# EAGLE board working (EAGLE 9.6.2), part 8 of 28 (continued)
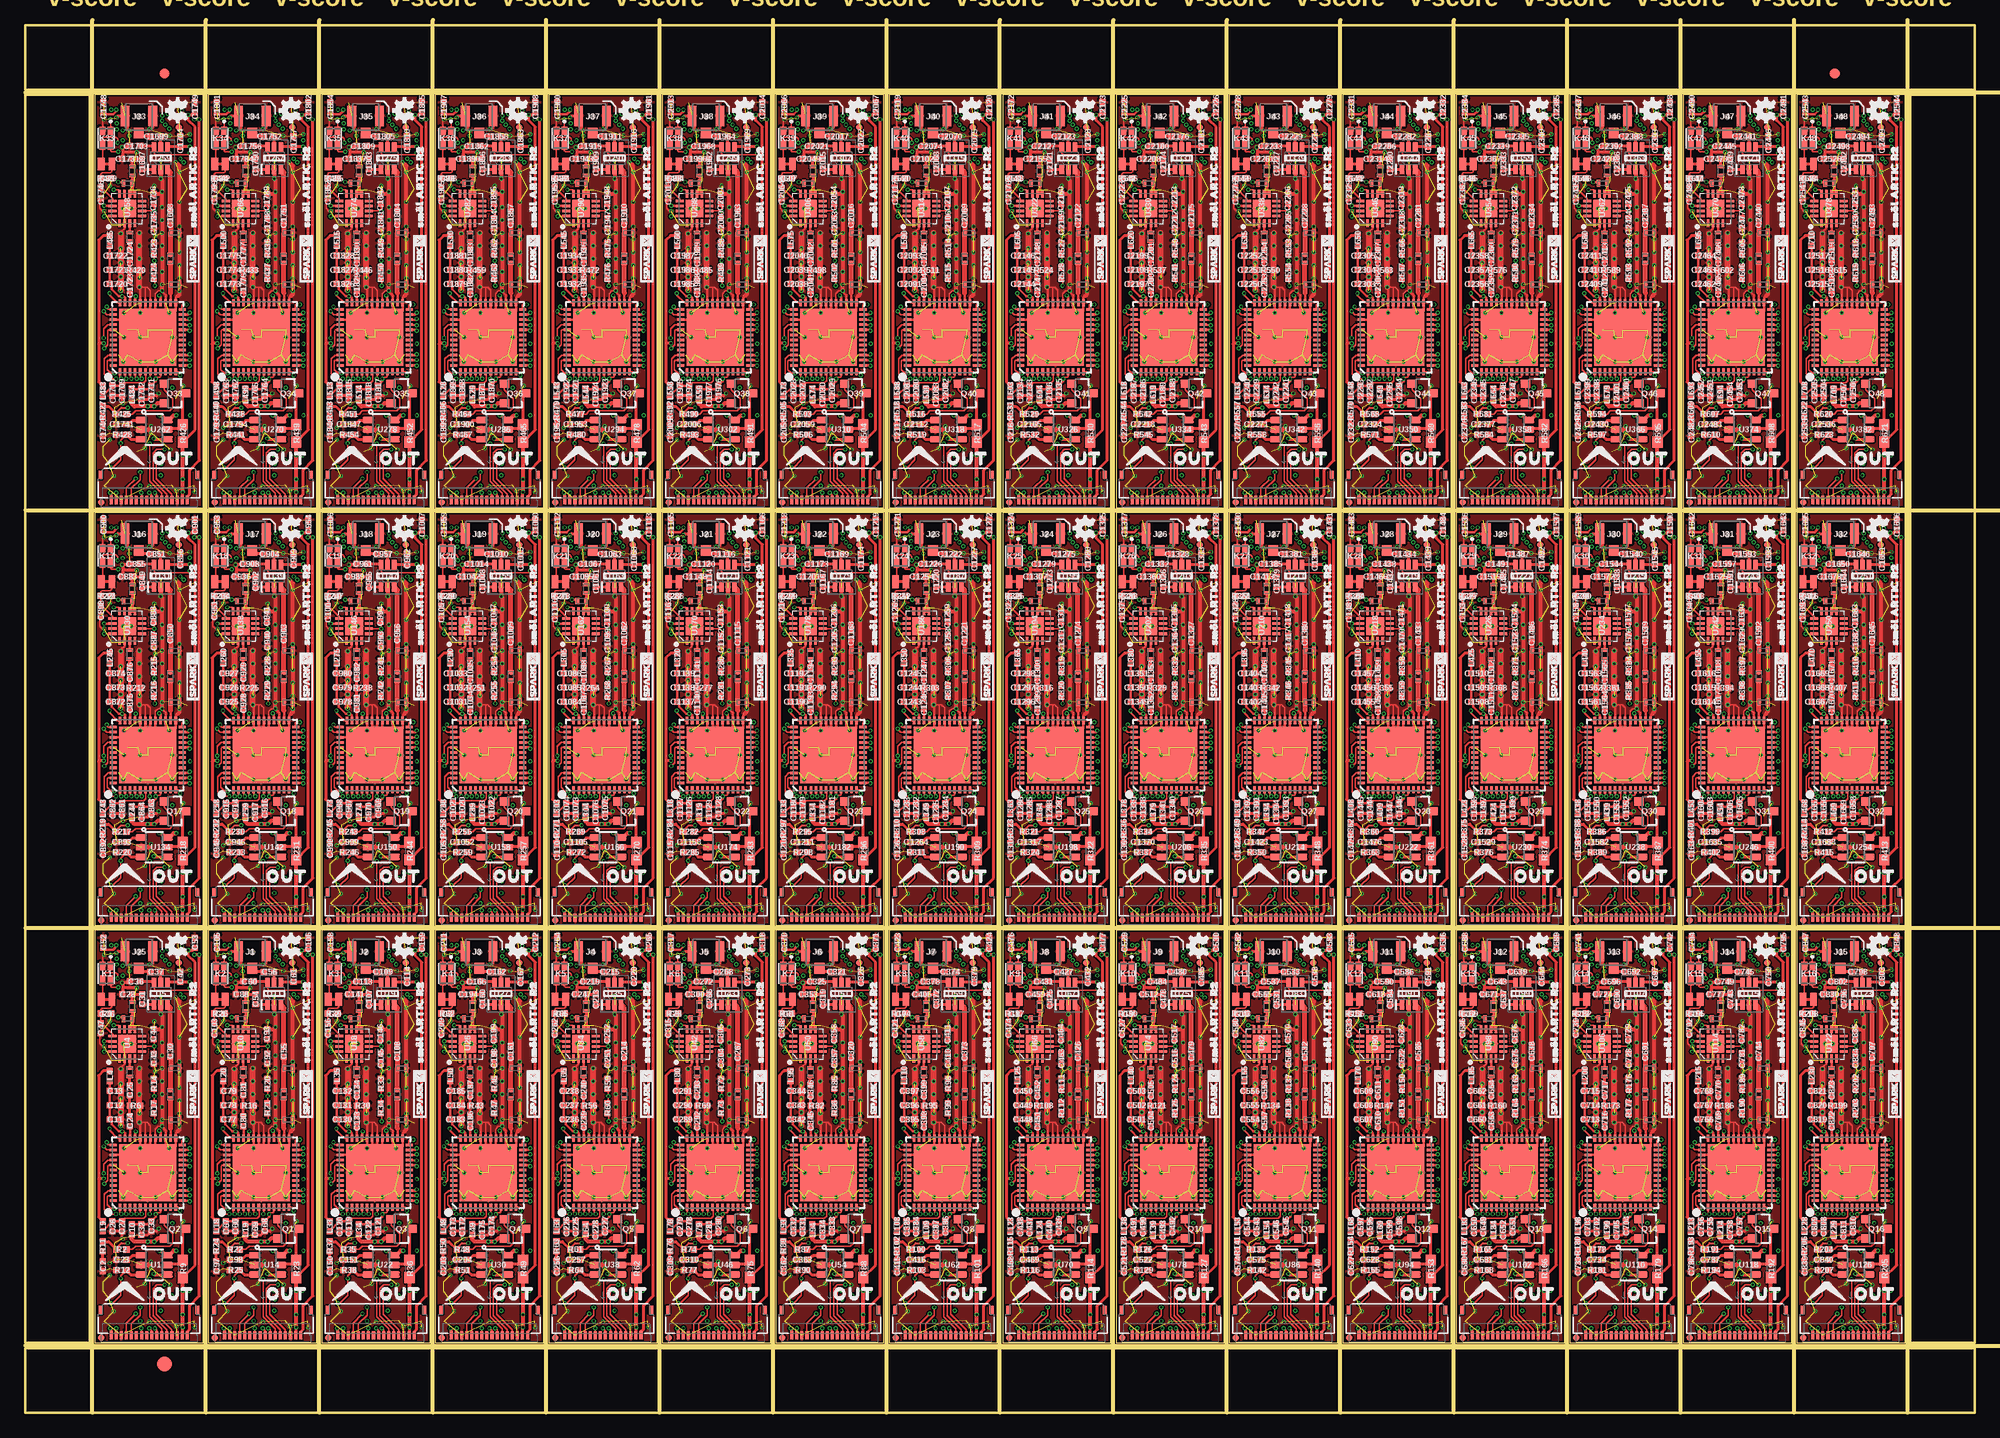
[diagram p0: board, top side]
## Nets (continued)
GND40: C2124.2 C2125.2 C2126.2 C2127.2 C2128.2 C2129.2 C2130.2 C2131.2 C2132.2 C2133.2 C2134.2 C2135.2 C2136.2 C2137.2 C2138.2 C2139.2 C2140.2 C2141.2 C2142.2 C2144.2 C2145.2 C2146.2 C2149.1 C2150.1 C2151.1 C2152.2 C2153.2 C2155.1 C2156.2 C2157.2 C2158.2 C2159.1 C2160.2 C2161.2 C2162.2 C2163.2 C2164.2 C2165.2 C2166.2 C2167.2 C2168.2 C2169.2 C2170.1 C2171.2 C2172.2 C2173.2 IN40.3 IN40.14 J41.1 J41.2 K41.2 L612.P$1 L613.P$1 OUT40.3 OUT40.14 R523.2 R524.1 R525.2 R527.1 R532.2 R533.2 U321.25 U321.27 U321.29 U321.30 U321.31 U321.32 U321.39 U321.GND U322.2 U322.EDAP U323.2 U324.2 U325.2 U326.2 U327.4 U328.4 X41.1 X41.2
GND41: C2177.2 C2178.2 C2179.2 C2180.2 C2181.2 C2182.2 C2183.2 C2184.2 C2185.2 C2186.2 C2187.2 C2188.2 C2189.2 C2190.2 C2191.2 C2192.2 C2193.2 C2194.2 C2195.2 C2197.2 C2198.2 C2199.2 C2202.1 C2203.1 C2204.1 C2205.2 C2206.2 C2208.1 C2209.2 C2210.2 C2211.2 C2212.1 C2213.2 C2214.2 C2215.2 C2216.2 C2217.2 C2218.2 C2219.2 C2220.2 C2221.2 C2222.2 C2223.1 C2224.2 C2225.2 C2226.2 IN41.3 IN41.14 J42.1 J42.2 K42.2 L627.P$1 L628.P$1 OUT41.3 OUT41.14 R536.2 R537.1 R538.2 R540.1 R545.2 R546.2 U329.25 U329.27 U329.29 U329.30 U329.31 U329.32 U329.39 U329.GND U330.2 U330.EDAP U331.2 U332.2 U333.2 U334.2 U335.4 U336.4 X42.1 X42.2
GND42: C2230.2 C2231.2 C2232.2 C2233.2 C2234.2 C2235.2 C2236.2 C2237.2 C2238.2 C2239.2 C2240.2 C2241.2 C2242.2 C2243.2 C2244.2 C2245.2 C2246.2 C2247.2 C2248.2 C2250.2 C2251.2 C2252.2 C2255.1 C2256.1 C2257.1 C2258.2 C2259.2 C2261.1 C2262.2 C2263.2 C2264.2 C2265.1 C2266.2 C2267.2 C2268.2 C2269.2 C2270.2 C2271.2 C2272.2 C2273.2 C2274.2 C2275.2 C2276.1 C2277.2 C2278.2 C2279.2 IN42.3 IN42.14 J43.1 J43.2 K43.2 L642.P$1 L643.P$1 OUT42.3 OUT42.14 R549.2 R550.1 R551.2 R553.1 R558.2 R559.2 U337.25 U337.27 U337.29 U337.30 U337.31 U337.32 U337.39 U337.GND U338.2 U338.EDAP U339.2 U340.2 U341.2 U342.2 U343.4 U344.4 X43.1 X43.2
GND43: C2283.2 C2284.2 C2285.2 C2286.2 C2287.2 C2288.2 C2289.2 C2290.2 C2291.2 C2292.2 C2293.2 C2294.2 C2295.2 C2296.2 C2297.2 C2298.2 C2299.2 C2300.2 C2301.2 C2303.2 C2304.2 C2305.2 C2308.1 C2309.1 C2310.1 C2311.2 C2312.2 C2314.1 C2315.2 C2316.2 C2317.2 C2318.1 C2319.2 C2320.2 C2321.2 C2322.2 C2323.2 C2324.2 C2325.2 C2326.2 C2327.2 C2328.2 C2329.1 C2330.2 C2331.2 C2332.2 IN43.3 IN43.14 J44.1 J44.2 K44.2 L657.P$1 L658.P$1 OUT43.3 OUT43.14 R562.2 R563.1 R564.2 R566.1 R571.2 R572.2 U345.25 U345.27 U345.29 U345.30 U345.31 U345.32 U345.39 U345.GND U346.2 U346.EDAP U347.2 U348.2 U349.2 U350.2 U351.4 U352.4 X44.1 X44.2
GND44: C2336.2 C2337.2 C2338.2 C2339.2 C2340.2 C2341.2 C2342.2 C2343.2 C2344.2 C2345.2 C2346.2 C2347.2 C2348.2 C2349.2 C2350.2 C2351.2 C2352.2 C2353.2 C2354.2 C2356.2 C2357.2 C2358.2 C2361.1 C2362.1 C2363.1 C2364.2 C2365.2 C2367.1 C2368.2 C2369.2 C2370.2 C2371.1 C2372.2 C2373.2 C2374.2 C2375.2 C2376.2 C2377.2 C2378.2 C2379.2 C2380.2 C2381.2 C2382.1 C2383.2 C2384.2 C2385.2 IN44.3 IN44.14 J45.1 J45.2 K45.2 L672.P$1 L673.P$1 OUT44.3 OUT44.14 R575.2 R576.1 R577.2 R579.1 R584.2 R585.2 U353.25 U353.27 U353.29 U353.30 U353.31 U353.32 U353.39 U353.GND U354.2 U354.EDAP U355.2 U356.2 U357.2 U358.2 U359.4 U360.4 X45.1 X45.2
GND45: C2389.2 C2390.2 C2391.2 C2392.2 C2393.2 C2394.2 C2395.2 C2396.2 C2397.2 C2398.2 C2399.2 C2400.2 C2401.2 C2402.2 C2403.2 C2404.2 C2405.2 C2406.2 C2407.2 C2409.2 C2410.2 C2411.2 C2414.1 C2415.1 C2416.1 C2417.2 C2418.2 C2420.1 C2421.2 C2422.2 C2423.2 C2424.1 C2425.2 C2426.2 C2427.2 C2428.2 C2429.2 C2430.2 C2431.2 C2432.2 C2433.2 C2434.2 C2435.1 C2436.2 C2437.2 C2438.2 IN45.3 IN45.14 J46.1 J46.2 K46.2 L687.P$1 L688.P$1 OUT45.3 OUT45.14 R588.2 R589.1 R590.2 R592.1 R597.2 R598.2 U361.25 U361.27 U361.29 U361.30 U361.31 U361.32 U361.39 U361.GND U362.2 U362.EDAP U363.2 U364.2 U365.2 U366.2 U367.4 U368.4 X46.1 X46.2
GND46: C2442.2 C2443.2 C2444.2 C2445.2 C2446.2 C2447.2 C2448.2 C2449.2 C2450.2 C2451.2 C2452.2 C2453.2 C2454.2 C2455.2 C2456.2 C2457.2 C2458.2 C2459.2 C2460.2 C2462.2 C2463.2 C2464.2 C2467.1 C2468.1 C2469.1 C2470.2 C2471.2 C2473.1 C2474.2 C2475.2 C2476.2 C2477.1 C2478.2 C2479.2 C2480.2 C2481.2 C2482.2 C2483.2 C2484.2 C2485.2 C2486.2 C2487.2 C2488.1 C2489.2 C2490.2 C2491.2 IN46.3 IN46.14 J47.1 J47.2 K47.2 L702.P$1 L703.P$1 OUT46.3 OUT46.14 R601.2 R602.1 R603.2 R605.1 R610.2 R611.2 U369.25 U369.27 U369.29 U369.30 U369.31 U369.32 U369.39 U369.GND U370.2 U370.EDAP U371.2 U372.2 U373.2 U374.2 U375.4 U376.4 X47.1 X47.2
GND47: C2495.2 C2496.2 C2497.2 C2498.2 C2499.2 C2500.2 C2501.2 C2502.2 C2503.2 C2504.2 C2505.2 C2506.2 C2507.2 C2508.2 C2509.2 C2510.2 C2511.2 C2512.2 C2513.2 C2515.2 C2516.2 C2517.2 C2520.1 C2521.1 C2522.1 C2523.2 C2524.2 C2526.1 C2527.2 C2528.2 C2529.2 C2530.1 C2531.2 C2532.2 C2533.2 C2534.2 C2535.2 C2536.2 C2537.2 C2538.2 C2539.2 C2540.2 C2541.1 C2542.2 C2543.2 C2544.2 IN47.3 IN47.14 J48.1 J48.2 K48.2 L717.P$1 L718.P$1 OUT47.3 OUT47.14 R614.2 R615.1 R616.2 R618.1 R623.2 R624.2 U377.25 U377.27 U377.29 U377.30 U377.31 U377.32 U377.39 U377.GND U378.2 U378.EDAP U379.2 U380.2 U381.2 U382.2 U383.4 U384.4 X48.1 X48.2
GPIO0: GPIO0.1 IN.10 R12.1 U1.3
GPIO1: IN.11 OUT.10
GPIO2: GPIO1.1 IN1.10 R25.1 U14.3
GPIO3: IN1.11 OUT1.10
GPIO4: GPIO2.1 IN2.10 R38.1 U22.3
GPIO5: IN2.11 OUT2.10
GPIO6: GPIO3.1 IN3.10 R51.1 U30.3
GPIO7: IN3.11 OUT3.10
GPIO8: GPIO4.1 IN4.10 R64.1 U38.3
GPIO9: IN4.11 OUT4.10
GPIO10: GPIO5.1 IN5.10 R77.1 U46.3
GPIO11: IN5.11 OUT5.10
GPIO12: GPIO6.1 IN6.10 R90.1 U54.3
GPIO13: IN6.11 OUT6.10
GPIO14: GPIO7.1 IN7.10 R103.1 U62.3
GPIO15: IN7.11 OUT7.10
GPIO16: GPIO8.1 IN8.10 R116.1 U70.3
GPIO17: IN8.11 OUT8.10
GPIO18: GPIO9.1 IN9.10 R129.1 U78.3
GPIO19: IN9.11 OUT9.10
GPIO20: GPIO10.1 IN10.10 R142.1 U86.3
GPIO21: IN10.11 OUT10.10
GPIO22: GPIO11.1 IN11.10 R155.1 U94.3
GPIO23: IN11.11 OUT11.10
GPIO24: GPIO12.1 IN12.10 R168.1 U102.3
GPIO25: IN12.11 OUT12.10
GPIO26: GPIO13.1 IN13.10 R181.1 U110.3
GPIO27: IN13.11 OUT13.10
GPIO28: GPIO14.1 IN14.10 R194.1 U118.3
GPIO29: IN14.11 OUT14.10
GPIO30: GPIO15.1 IN15.10 R207.1 U126.3
GPIO31: IN15.11 OUT15.10
GPIO32: GPIO16.1 IN16.10 R220.1 U134.3
GPIO33: IN16.11 OUT16.10
GPIO34: GPIO17.1 IN17.10 R233.1 U142.3
GPIO35: IN17.11 OUT17.10
GPIO36: GPIO18.1 IN18.10 R246.1 U150.3
GPIO37: IN18.11 OUT18.10
GPIO38: GPIO19.1 IN19.10 R259.1 U158.3
GPIO39: IN19.11 OUT19.10
GPIO40: GPIO20.1 IN20.10 R272.1 U166.3
GPIO41: IN20.11 OUT20.10
GPIO42: GPIO21.1 IN21.10 R285.1 U174.3
GPIO43: IN21.11 OUT21.10
GPIO44: GPIO22.1 IN22.10 R298.1 U182.3
GPIO45: IN22.11 OUT22.10
GPIO46: GPIO23.1 IN23.10 R311.1 U190.3
GPIO47: IN23.11 OUT23.10
GPIO48: GPIO24.1 IN24.10 R324.1 U198.3
GPIO49: IN24.11 OUT24.10
GPIO50: GPIO25.1 IN25.10 R337.1 U206.3
GPIO51: IN25.11 OUT25.10
GPIO52: GPIO26.1 IN26.10 R350.1 U214.3
GPIO53: IN26.11 OUT26.10
GPIO54: GPIO27.1 IN27.10 R363.1 U222.3
GPIO55: IN27.11 OUT27.10
GPIO56: GPIO28.1 IN28.10 R376.1 U230.3
GPIO57: IN28.11 OUT28.10
GPIO58: GPIO29.1 IN29.10 R389.1 U238.3
GPIO59: IN29.11 OUT29.10
GPIO60: GPIO30.1 IN30.10 R402.1 U246.3
GPIO61: IN30.11 OUT30.10
GPIO62: GPIO31.1 IN31.10 R415.1 U254.3
GPIO63: IN31.11 OUT31.10
GPIO64: GPIO32.1 IN32.10 R428.1 U262.3
GPIO65: IN32.11 OUT32.10
GPIO66: GPIO33.1 IN33.10 R441.1 U270.3
GPIO67: IN33.11 OUT33.10
GPIO68: GPIO34.1 IN34.10 R454.1 U278.3
GPIO69: IN34.11 OUT34.10
GPIO70: GPIO35.1 IN35.10 R467.1 U286.3
GPIO71: IN35.11 OUT35.10
GPIO72: GPIO36.1 IN36.10 R480.1 U294.3
GPIO73: IN36.11 OUT36.10
GPIO74: GPIO37.1 IN37.10 R493.1 U302.3
GPIO75: IN37.11 OUT37.10
GPIO76: GPIO38.1 IN38.10 R506.1 U310.3
GPIO77: IN38.11 OUT38.10
GPIO78: GPIO39.1 IN39.10 R519.1 U318.3
GPIO79: IN39.11 OUT39.10
GPIO80: GPIO40.1 IN40.10 R532.1 U326.3
GPIO81: IN40.11 OUT40.10
GPIO82: GPIO41.1 IN41.10 R545.1 U334.3
GPIO83: IN41.11 OUT41.10
GPIO84: GPIO42.1 IN42.10 R558.1 U342.3
GPIO85: IN42.11 OUT42.10
GPIO86: GPIO43.1 IN43.10 R571.1 U350.3
GPIO87: IN43.11 OUT43.10
GPIO88: GPIO44.1 IN44.10 R584.1 U358.3
GPIO89: IN44.11 OUT44.10
GPIO90: GPIO45.1 IN45.10 R597.1 U366.3
GPIO91: IN45.11 OUT45.10
GPIO92: GPIO46.1 IN46.10 R610.1 U374.3
GPIO93: IN46.11 OUT46.10
GPIO94: GPIO47.1 IN47.10 R623.1 U382.3
GPIO95: IN47.11 OUT47.10
INT1: U3.47 U8.2
INT2: U9.47 U16.2
INT3: U17.47 U24.2
INT4: U25.47 U32.2
INT5: U33.47 U40.2
INT6: U41.47 U48.2
INT7: U49.47 U56.2
INT8: U57.47 U64.2
INT9: U65.47 U72.2
INT10: U73.47 U80.2
INT11: U81.47 U88.2
INT12: U89.47 U96.2
INT13: U97.47 U104.2
INT14: U105.47 U112.2
INT15: U113.47 U120.2
INT16: U121.47 U128.2
INT17: U129.47 U136.2
INT18: U137.47 U144.2
INT19: U145.47 U152.2
INT20: U153.47 U160.2
INT21: U161.47 U168.2
INT22: U169.47 U176.2
INT23: U177.47 U184.2
INT24: U185.47 U192.2
INT25: U193.47 U200.2
INT26: U201.47 U208.2
INT27: U209.47 U216.2
INT28: U217.47 U224.2
INT29: U225.47 U232.2
INT30: U233.47 U240.2
INT31: U241.47 U248.2
INT32: U249.47 U256.2
INT33: U257.47 U264.2
INT34: U265.47 U272.2
INT35: U273.47 U280.2
INT36: U281.47 U288.2
INT37: U289.47 U296.2
INT38: U297.47 U304.2
INT39: U305.47 U312.2
INT40: U313.47 U320.2
INT41: U321.47 U328.2
INT42: U329.47 U336.2
INT43: U337.47 U344.2
INT44: U345.47 U352.2
INT45: U353.47 U360.2
INT46: U361.47 U368.2
INT47: U369.47 U376.2
INT48: U377.47 U384.2
N$1: Q2.3 R9.1 U1.5
N$2: Q2.1 R2.1
N$3: R2.2 R11.1 U1.4
N$4: C34.1 C35.1 L13.1 U3.24
N$5: C40.1 C41.1 L15.1 U3.23
N$6: C2.1 R11.2
N$7: C23.1 U1.1
N$8: C26.1 C27.1 L9.1 U3.6
N$9: C32.1 C33.1 L10.1 R5.2 R8.1 U3.9
N$10: C11.1 C12.1 C13.1 L4.1 U3.28 U3.33 U3.35
N$11: C7.1 C8.1 L3.1 U3.36
N$12: R4.1 U3.41
N$13: C5.1 C6.1 L2.1 U3.40
N$14: C9.1 C10.1 U3.37 X1.4
N$15: C17.1 X1.3
N$16: C17.2 U3.38
N$17: C24.1 U3.34
N$18: C24.2 C25.1 R6.2
N$19: L5.P$2 U4.14
N$20: C15.1 C18.1 L5.P$1 R3.1
N$21: C29.P$1 L11.P$2 U3.26
N$22: C54.1 U11.1
N$23: C55.1 U11.3
N$24: C25.2 L7.P$1
N$25: L7.P$2 U4.3
N$26: L6.P$2 L8.P$1 U4.9 U4.10
N$27: C56.2 U11.5
N$28: C31.1 U5.1
N$29: C30.1 U5.3
N$30: C37.2 U5.5
N$31: C38.1 C39.1 L14.1 U3.20
N$32: C62.1 C63.1 L16.1 U9.24
N$33: C64.1 C65.1 L17.1 U9.23
N$34: C66.1 C67.1 L18.1 U9.6
N$35: C68.1 C69.1 L19.1 R10.1 R13.2 U9.9
N$36: C77.1 C78.1 C79.1 L20.1 U9.28 U9.33 U9.35
N$37: C70.1 C71.1 L21.1 U9.36
N$38: R15.1 U9.41
N$39: C72.1 C73.1 L22.1 U9.40
N$40: C74.1 C75.1 U9.37 X2.4
N$41: C76.1 X2.3
N$42: C76.2 U9.38
N$43: C80.1 U9.34
N$44: C80.2 C81.1 R16.2
N$45: L24.P$2 U10.14
N$46: C85.1 C86.1 L24.P$1 R19.1
N$47: C81.2 L23.P$1
N$48: L23.P$2 U10.3
N$49: L25.P$2 L26.P$1 U10.9 U10.10
N$50: C87.P$1 L27.P$2 U9.26
N$51: C94.1 C95.1 L29.1 U9.20
N$52: Q1.3 R23.1 U14.5
N$53: Q1.1 R22.1
N$54: R22.2 R24.1 U14.4
N$55: C97.1 R24.2
N$56: C98.1 U14.1
N$57: C107.1 U19.1
N$58: C108.1 U19.3
N$59: C109.2 U19.5
N$60: C115.1 C116.1 L31.1 U17.24
N$61: C117.1 C118.1 L32.1 U17.23
N$62: C119.1 C120.1 L33.1 U17.6
N$63: C121.1 C122.1 L34.1 R27.1 R28.2 U17.9
N$64: C130.1 C131.1 C132.1 L35.1 U17.28 U17.33 U17.35
N$65: C123.1 C124.1 L36.1 U17.36
N$66: R29.1 U17.41
N$67: C125.1 C126.1 L37.1 U17.40
N$68: C127.1 C128.1 U17.37 X3.4
N$69: C129.1 X3.3
N$70: C129.2 U17.38
N$71: C133.1 U17.34
N$72: C133.2 C134.1 R30.2
N$73: L39.P$2 U18.14
N$74: C138.1 C139.1 L39.P$1 R32.1
N$75: C134.2 L38.P$1
N$76: L38.P$2 U18.3
N$77: L40.P$2 L41.P$1 U18.9 U18.10
N$78: C140.P$1 L42.P$2 U17.26
N$79: C147.1 C148.1 L44.1 U17.20
N$80: Q3.3 R36.1 U22.5
N$81: Q3.1 R35.1
N$82: R35.2 R37.1 U22.4
N$83: C150.1 R37.2
N$84: C151.1 U22.1
N$85: C160.1 U27.1
N$86: C161.1 U27.3
N$87: C162.2 U27.5
N$88: C168.1 C169.1 L46.1 U25.24
N$89: C170.1 C171.1 L47.1 U25.23
N$90: C172.1 C173.1 L48.1 U25.6
N$91: C174.1 C175.1 L49.1 R40.1 R41.2 U25.9
N$92: C183.1 C184.1 C185.1 L50.1 U25.28 U25.33 U25.35
N$93: C176.1 C177.1 L51.1 U25.36
N$94: R42.1 U25.41
N$95: C178.1 C179.1 L52.1 U25.40
N$96: C180.1 C181.1 U25.37 X4.4
N$97: C182.1 X4.3
N$98: C182.2 U25.38
N$99: C186.1 U25.34
N$100: C186.2 C187.1 R43.2
N$101: L54.P$2 U26.14
N$102: C191.1 C192.1 L54.P$1 R45.1
N$103: C187.2 L53.P$1
N$104: L53.P$2 U26.3
N$105: L55.P$2 L56.P$1 U26.9 U26.10
N$106: C193.P$1 L57.P$2 U25.26
N$107: C200.1 C201.1 L59.1 U25.20
N$108: Q4.3 R49.1 U30.5
N$109: Q4.1 R48.1
N$110: R48.2 R50.1 U30.4
N$111: C203.1 R50.2
N$112: C204.1 U30.1
N$113: C213.1 U35.1
N$114: C214.1 U35.3
N$115: C215.2 U35.5
N$116: C221.1 C222.1 L61.1 U33.24
N$117: C223.1 C224.1 L62.1 U33.23
N$118: C225.1 C226.1 L63.1 U33.6
N$119: C227.1 C228.1 L64.1 R53.1 R54.2 U33.9
N$120: C236.1 C237.1 C238.1 L65.1 U33.28 U33.33 U33.35
N$121: C229.1 C230.1 L66.1 U33.36
N$122: R55.1 U33.41
N$123: C231.1 C232.1 L67.1 U33.40
N$124: C233.1 C234.1 U33.37 X5.4
N$125: C235.1 X5.3
N$126: C235.2 U33.38
N$127: C239.1 U33.34
N$128: C239.2 C240.1 R56.2
N$129: L69.P$2 U34.14
N$130: C244.1 C245.1 L69.P$1 R58.1
N$131: C240.2 L68.P$1
N$132: L68.P$2 U34.3
N$133: L70.P$2 L71.P$1 U34.9 U34.10
N$134: C246.P$1 L72.P$2 U33.26
N$135: C253.1 C254.1 L74.1 U33.20
N$136: Q5.3 R62.1 U38.5
N$137: Q5.1 R61.1
N$138: R61.2 R63.1 U38.4
N$139: C256.1 R63.2
N$140: C257.1 U38.1
N$141: C266.1 U43.1
N$142: C267.1 U43.3
N$143: C268.2 U43.5
N$144: C274.1 C275.1 L76.1 U41.24
N$145: C276.1 C277.1 L77.1 U41.23
N$146: C278.1 C279.1 L78.1 U41.6
N$147: C280.1 C281.1 L79.1 R66.1 R67.2 U41.9
N$148: C289.1 C290.1 C291.1 L80.1 U41.28 U41.33 U41.35
N$149: C282.1 C283.1 L81.1 U41.36
N$150: R68.1 U41.41
N$151: C284.1 C285.1 L82.1 U41.40
N$152: C286.1 C287.1 U41.37 X6.4
N$153: C288.1 X6.3
N$154: C288.2 U41.38
N$155: C292.1 U41.34
N$156: C292.2 C293.1 R69.2
N$157: L84.P$2 U42.14
N$158: C297.1 C298.1 L84.P$1 R71.1
N$159: C293.2 L83.P$1
N$160: L83.P$2 U42.3
N$161: L85.P$2 L86.P$1 U42.9 U42.10
N$162: C299.P$1 L87.P$2 U41.26
N$163: C306.1 C307.1 L89.1 U41.20
N$164: Q6.3 R75.1 U46.5
N$165: Q6.1 R74.1
N$166: R74.2 R76.1 U46.4
N$167: C309.1 R76.2
N$168: C310.1 U46.1
N$169: C319.1 U51.1
N$170: C320.1 U51.3
N$171: C321.2 U51.5
N$172: C327.1 C328.1 L91.1 U49.24
N$173: C329.1 C330.1 L92.1 U49.23
N$174: C331.1 C332.1 L93.1 U49.6
N$175: C333.1 C334.1 L94.1 R79.1 R80.2 U49.9
N$176: C342.1 C343.1 C344.1 L95.1 U49.28 U49.33 U49.35
N$177: C335.1 C336.1 L96.1 U49.36
N$178: R81.1 U49.41
N$179: C337.1 C338.1 L97.1 U49.40
N$180: C339.1 C340.1 U49.37 X7.4
N$181: C341.1 X7.3
N$182: C341.2 U49.38
N$183: C345.1 U49.34
N$184: C345.2 C346.1 R82.2
N$185: L99.P$2 U50.14
N$186: C350.1 C351.1 L99.P$1 R84.1
N$187: C346.2 L98.P$1
N$188: L98.P$2 U50.3
N$189: L100.P$2 L101.P$1 U50.9 U50.10
N$190: C352.P$1 L102.P$2 U49.26
N$191: C359.1 C360.1 L104.1 U49.20
N$192: Q7.3 R88.1 U54.5
N$193: Q7.1 R87.1
N$194: R87.2 R89.1 U54.4
N$195: C362.1 R89.2
N$196: C363.1 U54.1
N$197: C372.1 U59.1
N$198: C373.1 U59.3
N$199: C374.2 U59.5
N$200: C380.1 C381.1 L106.1 U57.24
N$201: C382.1 C383.1 L107.1 U57.23
N$202: C384.1 C385.1 L108.1 U57.6
N$203: C386.1 C387.1 L109.1 R92.1 R93.2 U57.9
N$204: C395.1 C396.1 C397.1 L110.1 U57.28 U57.33 U57.35
N$205: C388.1 C389.1 L111.1 U57.36
N$206: R94.1 U57.41
N$207: C390.1 C391.1 L112.1 U57.40
N$208: C392.1 C393.1 U57.37 X8.4
N$209: C394.1 X8.3
N$210: C394.2 U57.38
N$211: C398.1 U57.34
N$212: C398.2 C399.1 R95.2
N$213: L114.P$2 U58.14
N$214: C403.1 C404.1 L114.P$1 R97.1
N$215: C399.2 L113.P$1
N$216: L113.P$2 U58.3
N$217: L115.P$2 L116.P$1 U58.9 U58.10
N$218: C405.P$1 L117.P$2 U57.26
N$219: C412.1 C413.1 L119.1 U57.20
N$220: Q8.3 R101.1 U62.5
N$221: Q8.1 R100.1
N$222: R100.2 R102.1 U62.4
N$223: C415.1 R102.2
N$224: C416.1 U62.1
N$225: C425.1 U67.1
N$226: C426.1 U67.3
N$227: C427.2 U67.5
N$228: C433.1 C434.1 L121.1 U65.24
N$229: C435.1 C436.1 L122.1 U65.23
N$230: C437.1 C438.1 L123.1 U65.6
N$231: C439.1 C440.1 L124.1 R105.1 R106.2 U65.9
N$232: C448.1 C449.1 C450.1 L125.1 U65.28 U65.33 U65.35
N$233: C441.1 C442.1 L126.1 U65.36
N$234: R107.1 U65.41
N$235: C443.1 C444.1 L127.1 U65.40
N$236: C445.1 C446.1 U65.37 X9.4
N$237: C447.1 X9.3
N$238: C447.2 U65.38
N$239: C451.1 U65.34
N$240: C451.2 C452.1 R108.2
N$241: L129.P$2 U66.14
N$242: C456.1 C457.1 L129.P$1 R110.1
N$243: C452.2 L128.P$1
N$244: L128.P$2 U66.3
N$245: L130.P$2 L131.P$1 U66.9 U66.10
N$246: C458.P$1 L132.P$2 U65.26
N$247: C465.1 C466.1 L134.1 U65.20
N$248: Q9.3 R114.1 U70.5
N$249: Q9.1 R113.1
N$250: R113.2 R115.1 U70.4
N$251: C468.1 R115.2
N$252: C469.1 U70.1
N$253: C478.1 U75.1
N$254: C479.1 U75.3
N$255: C480.2 U75.5
N$256: C486.1 C487.1 L136.1 U73.24
N$257: C488.1 C489.1 L137.1 U73.23
N$258: C490.1 C491.1 L138.1 U73.6
N$259: C492.1 C493.1 L139.1 R118.1 R119.2 U73.9
N$260: C501.1 C502.1 C503.1 L140.1 U73.28 U73.33 U73.35
N$261: C494.1 C495.1 L141.1 U73.36
N$262: R120.1 U73.41
N$263: C496.1 C497.1 L142.1 U73.40
N$264: C498.1 C499.1 U73.37 X10.4
N$265: C500.1 X10.3
N$266: C500.2 U73.38
N$267: C504.1 U73.34
N$268: C504.2 C505.1 R121.2
N$269: L144.P$2 U74.14
N$270: C509.1 C510.1 L144.P$1 R123.1
N$271: C505.2 L143.P$1
N$272: L143.P$2 U74.3
N$273: L145.P$2 L146.P$1 U74.9 U74.10
N$274: C511.P$1 L147.P$2 U73.26
N$275: C518.1 C519.1 L149.1 U73.20
N$276: Q10.3 R127.1 U78.5
N$277: Q10.1 R126.1
N$278: R126.2 R128.1 U78.4
N$279: C521.1 R128.2
N$280: C522.1 U78.1
N$281: C531.1 U83.1
N$282: C532.1 U83.3
N$283: C533.2 U83.5
N$284: C539.1 C540.1 L151.1 U81.24
N$285: C541.1 C542.1 L152.1 U81.23
N$286: C543.1 C544.1 L153.1 U81.6
N$287: C545.1 C546.1 L154.1 R131.1 R132.2 U81.9
N$288: C554.1 C555.1 C556.1 L155.1 U81.28 U81.33 U81.35
N$289: C547.1 C548.1 L156.1 U81.36
N$290: R133.1 U81.41
N$291: C549.1 C550.1 L157.1 U81.40
N$292: C551.1 C552.1 U81.37 X11.4
N$293: C553.1 X11.3
N$294: C553.2 U81.38
N$295: C557.1 U81.34
N$296: C557.2 C558.1 R134.2
N$297: L159.P$2 U82.14
N$298: C562.1 C563.1 L159.P$1 R136.1
N$299: C558.2 L158.P$1
N$300: L158.P$2 U82.3
N$301: L160.P$2 L161.P$1 U82.9 U82.10
N$302: C564.P$1 L162.P$2 U81.26
N$303: C571.1 C572.1 L164.1 U81.20
N$304: Q11.3 R140.1 U86.5
N$305: Q11.1 R139.1
N$306: R139.2 R141.1 U86.4
N$307: C574.1 R141.2
N$308: C575.1 U86.1
N$309: C584.1 U91.1
N$310: C585.1 U91.3
N$311: C586.2 U91.5
N$312: C592.1 C593.1 L166.1 U89.24
N$313: C594.1 C595.1 L167.1 U89.23
N$314: C596.1 C597.1 L168.1 U89.6
N$315: C598.1 C599.1 L169.1 R144.1 R145.2 U89.9
N$316: C607.1 C608.1 C609.1 L170.1 U89.28 U89.33 U89.35
N$317: C600.1 C601.1 L171.1 U89.36
N$318: R146.1 U89.41
N$319: C602.1 C603.1 L172.1 U89.40
N$320: C604.1 C605.1 U89.37 X12.4
N$321: C606.1 X12.3
N$322: C606.2 U89.38
N$323: C610.1 U89.34
N$324: C610.2 C611.1 R147.2
N$325: L174.P$2 U90.14
N$326: C615.1 C616.1 L174.P$1 R149.1
N$327: C611.2 L173.P$1
N$328: L173.P$2 U90.3
N$329: L175.P$2 L176.P$1 U90.9 U90.10
N$330: C617.P$1 L177.P$2 U89.26
N$331: C624.1 C625.1 L179.1 U89.20
N$332: Q12.3 R153.1 U94.5
N$333: Q12.1 R152.1
N$334: R152.2 R154.1 U94.4
N$335: C627.1 R154.2
N$336: C628.1 U94.1
N$337: C637.1 U99.1
N$338: C638.1 U99.3
N$339: C639.2 U99.5
N$340: C645.1 C646.1 L181.1 U97.24
N$341: C647.1 C648.1 L182.1 U97.23
N$342: C649.1 C650.1 L183.1 U97.6
N$343: C651.1 C652.1 L184.1 R157.1 R158.2 U97.9
N$344: C660.1 C661.1 C662.1 L185.1 U97.28 U97.33 U97.35
N$345: C653.1 C654.1 L186.1 U97.36
N$346: R159.1 U97.41
N$347: C655.1 C656.1 L187.1 U97.40
N$348: C657.1 C658.1 U97.37 X13.4
N$349: C659.1 X13.3
N$350: C659.2 U97.38
N$351: C663.1 U97.34
N$352: C663.2 C664.1 R160.2
N$353: L189.P$2 U98.14
N$354: C668.1 C669.1 L189.P$1 R162.1
N$355: C664.2 L188.P$1
N$356: L188.P$2 U98.3
N$357: L190.P$2 L191.P$1 U98.9 U98.10
N$358: C670.P$1 L192.P$2 U97.26
N$359: C677.1 C678.1 L194.1 U97.20
N$360: Q13.3 R166.1 U102.5
N$361: Q13.1 R165.1
N$362: R165.2 R167.1 U102.4
N$363: C680.1 R167.2
N$364: C681.1 U102.1
N$365: C690.1 U107.1
N$366: C691.1 U107.3
N$367: C692.2 U107.5
N$368: C698.1 C699.1 L196.1 U105.24
N$369: C700.1 C701.1 L197.1 U105.23
N$370: C702.1 C703.1 L198.1 U105.6
N$371: C704.1 C705.1 L199.1 R170.1 R171.2 U105.9
N$372: C713.1 C714.1 C715.1 L200.1 U105.28 U105.33 U105.35
N$373: C706.1 C707.1 L201.1 U105.36
N$374: R172.1 U105.41
N$375: C708.1 C709.1 L202.1 U105.40
N$376: C710.1 C711.1 U105.37 X14.4
N$377: C712.1 X14.3
N$378: C712.2 U105.38
N$379: C716.1 U105.34
N$380: C716.2 C717.1 R173.2
N$381: L204.P$2 U106.14
N$382: C721.1 C722.1 L204.P$1 R175.1
N$383: C717.2 L203.P$1
N$384: L203.P$2 U106.3
N$385: L205.P$2 L206.P$1 U106.9 U106.10
N$386: C723.P$1 L207.P$2 U105.26
N$387: C730.1 C731.1 L209.1 U105.20
N$388: Q14.3 R179.1 U110.5
N$389: Q14.1 R178.1
N$390: R178.2 R180.1 U110.4
N$391: C733.1 R180.2
N$392: C734.1 U110.1
N$393: C743.1 U115.1
N$394: C744.1 U115.3
N$395: C745.2 U115.5
N$396: C751.1 C752.1 L211.1 U113.24
N$397: C753.1 C754.1 L212.1 U113.23
N$398: C755.1 C756.1 L213.1 U113.6
N$399: C757.1 C758.1 L214.1 R183.1 R184.2 U113.9
N$400: C766.1 C767.1 C768.1 L215.1 U113.28 U113.33 U113.35
N$401: C759.1 C760.1 L216.1 U113.36
N$402: R185.1 U113.41
N$403: C761.1 C762.1 L217.1 U113.40
N$404: C763.1 C764.1 U113.37 X15.4
N$405: C765.1 X15.3
N$406: C765.2 U113.38
N$407: C769.1 U113.34
N$408: C769.2 C770.1 R186.2
N$409: L219.P$2 U114.14
N$410: C774.1 C775.1 L219.P$1 R188.1
N$411: C770.2 L218.P$1
N$412: L218.P$2 U114.3
N$413: L220.P$2 L221.P$1 U114.9 U114.10
N$414: C776.P$1 L222.P$2 U113.26
N$415: C783.1 C784.1 L224.1 U113.20
N$416: Q15.3 R192.1 U118.5
N$417: Q15.1 R191.1
N$418: R191.2 R193.1 U118.4
N$419: C786.1 R193.2
N$420: C787.1 U118.1
N$421: C796.1 U123.1
N$422: C797.1 U123.3
N$423: C798.2 U123.5
N$424: C804.1 C805.1 L226.1 U121.24
N$425: C806.1 C807.1 L227.1 U121.23
N$426: C808.1 C809.1 L228.1 U121.6
N$427: C810.1 C811.1 L229.1 R196.1 R197.2 U121.9
N$428: C819.1 C820.1 C821.1 L230.1 U121.28 U121.33 U121.35
N$429: C812.1 C813.1 L231.1 U121.36
N$430: R198.1 U121.41
N$431: C814.1 C815.1 L232.1 U121.40
N$432: C816.1 C817.1 U121.37 X16.4
N$433: C818.1 X16.3
N$434: C818.2 U121.38
N$435: C822.1 U121.34
N$436: C822.2 C823.1 R199.2
N$437: L234.P$2 U122.14
N$438: C827.1 C828.1 L234.P$1 R201.1
N$439: C823.2 L233.P$1
N$440: L233.P$2 U122.3
N$441: L235.P$2 L236.P$1 U122.9 U122.10
N$442: C829.P$1 L237.P$2 U121.26
N$443: C836.1 C837.1 L239.1 U121.20
N$444: Q16.3 R205.1 U126.5
N$445: Q16.1 R204.1
N$446: R204.2 R206.1 U126.4
N$447: C839.1 R206.2
N$448: C840.1 U126.1
N$449: C849.1 U131.1
N$450: C850.1 U131.3
N$451: C851.2 U131.5
N$452: C857.1 C858.1 L241.1 U129.24
N$453: C859.1 C860.1 L242.1 U129.23
N$454: C861.1 C862.1 L243.1 U129.6
N$455: C863.1 C864.1 L244.1 R209.1 R210.2 U129.9
N$456: C872.1 C873.1 C874.1 L245.1 U129.28 U129.33 U129.35
N$457: C865.1 C866.1 L246.1 U129.36
N$458: R211.1 U129.41
N$459: C867.1 C868.1 L247.1 U129.40
N$460: C869.1 C870.1 U129.37 X17.4
N$461: C871.1 X17.3
N$462: C871.2 U129.38
N$463: C875.1 U129.34
N$464: C875.2 C876.1 R212.2
N$465: L249.P$2 U130.14
N$466: C880.1 C881.1 L249.P$1 R214.1
N$467: C876.2 L248.P$1
N$468: L248.P$2 U130.3
N$469: L250.P$2 L251.P$1 U130.9 U130.10
N$470: C882.P$1 L252.P$2 U129.26
N$471: C889.1 C890.1 L254.1 U129.20
N$472: Q17.3 R218.1 U134.5
N$473: Q17.1 R217.1
N$474: R217.2 R219.1 U134.4
N$475: C892.1 R219.2
N$476: C893.1 U134.1
N$477: C902.1 U139.1
N$478: C903.1 U139.3
N$479: C904.2 U139.5
N$480: C910.1 C911.1 L256.1 U137.24
N$481: C912.1 C913.1 L257.1 U137.23
N$482: C914.1 C915.1 L258.1 U137.6
N$483: C916.1 C917.1 L259.1 R222.1 R223.2 U137.9
N$484: C925.1 C926.1 C927.1 L260.1 U137.28 U137.33 U137.35
N$485: C918.1 C919.1 L261.1 U137.36
N$486: R224.1 U137.41
N$487: C920.1 C921.1 L262.1 U137.40
N$488: C922.1 C923.1 U137.37 X18.4
N$489: C924.1 X18.3
N$490: C924.2 U137.38
N$491: C928.1 U137.34
N$492: C928.2 C929.1 R225.2
N$493: L264.P$2 U138.14
N$494: C933.1 C934.1 L264.P$1 R227.1
N$495: C929.2 L263.P$1
N$496: L263.P$2 U138.3
N$497: L265.P$2 L266.P$1 U138.9 U138.10
N$498: C935.P$1 L267.P$2 U137.26
N$499: C942.1 C943.1 L269.1 U137.20
N$500: Q18.3 R231.1 U142.5
N$501: Q18.1 R230.1
N$502: R230.2 R232.1 U142.4
N$503: C945.1 R232.2
N$504: C946.1 U142.1
N$505: C955.1 U147.1
N$506: C956.1 U147.3
N$507: C957.2 U147.5
N$508: C963.1 C964.1 L271.1 U145.24
N$509: C965.1 C966.1 L272.1 U145.23
N$510: C967.1 C968.1 L273.1 U145.6
N$511: C969.1 C970.1 L274.1 R235.1 R236.2 U145.9
N$512: C978.1 C979.1 C980.1 L275.1 U145.28 U145.33 U145.35
N$513: C971.1 C972.1 L276.1 U145.36
N$514: R237.1 U145.41
N$515: C973.1 C974.1 L277.1 U145.40
N$516: C975.1 C976.1 U145.37 X19.4
N$517: C977.1 X19.3
N$518: C977.2 U145.38
N$519: C981.1 U145.34
N$520: C981.2 C982.1 R238.2
N$521: L279.P$2 U146.14
N$522: C986.1 C987.1 L279.P$1 R240.1
N$523: C982.2 L278.P$1
N$524: L278.P$2 U146.3
N$525: L280.P$2 L281.P$1 U146.9 U146.10
N$526: C988.P$1 L282.P$2 U145.26
N$527: C995.1 C996.1 L284.1 U145.20
N$528: Q19.3 R244.1 U150.5
N$529: Q19.1 R243.1
N$530: R243.2 R245.1 U150.4
N$531: C998.1 R245.2
N$532: C999.1 U150.1
N$533: C1008.1 U155.1
N$534: C1009.1 U155.3
N$535: C1010.2 U155.5
N$536: C1016.1 C1017.1 L286.1 U153.24
N$537: C1018.1 C1019.1 L287.1 U153.23
N$538: C1020.1 C1021.1 L288.1 U153.6
N$539: C1022.1 C1023.1 L289.1 R248.1 R249.2 U153.9
N$540: C1031.1 C1032.1 C1033.1 L290.1 U153.28 U153.33 U153.35
N$541: C1024.1 C1025.1 L291.1 U153.36
N$542: R250.1 U153.41
N$543: C1026.1 C1027.1 L292.1 U153.40
N$544: C1028.1 C1029.1 U153.37 X20.4
N$545: C1030.1 X20.3
N$546: C1030.2 U153.38
N$547: C1034.1 U153.34
N$548: C1034.2 C1035.1 R251.2
N$549: L294.P$2 U154.14
N$550: C1039.1 C1040.1 L294.P$1 R253.1
N$551: C1035.2 L293.P$1
N$552: L293.P$2 U154.3
N$553: L295.P$2 L296.P$1 U154.9 U154.10
N$554: C1041.P$1 L297.P$2 U153.26
N$555: C1048.1 C1049.1 L299.1 U153.20
N$556: Q20.3 R257.1 U158.5
N$557: Q20.1 R256.1
N$558: R256.2 R258.1 U158.4